# KiCad board ext_board.kicad_pcb (continued)
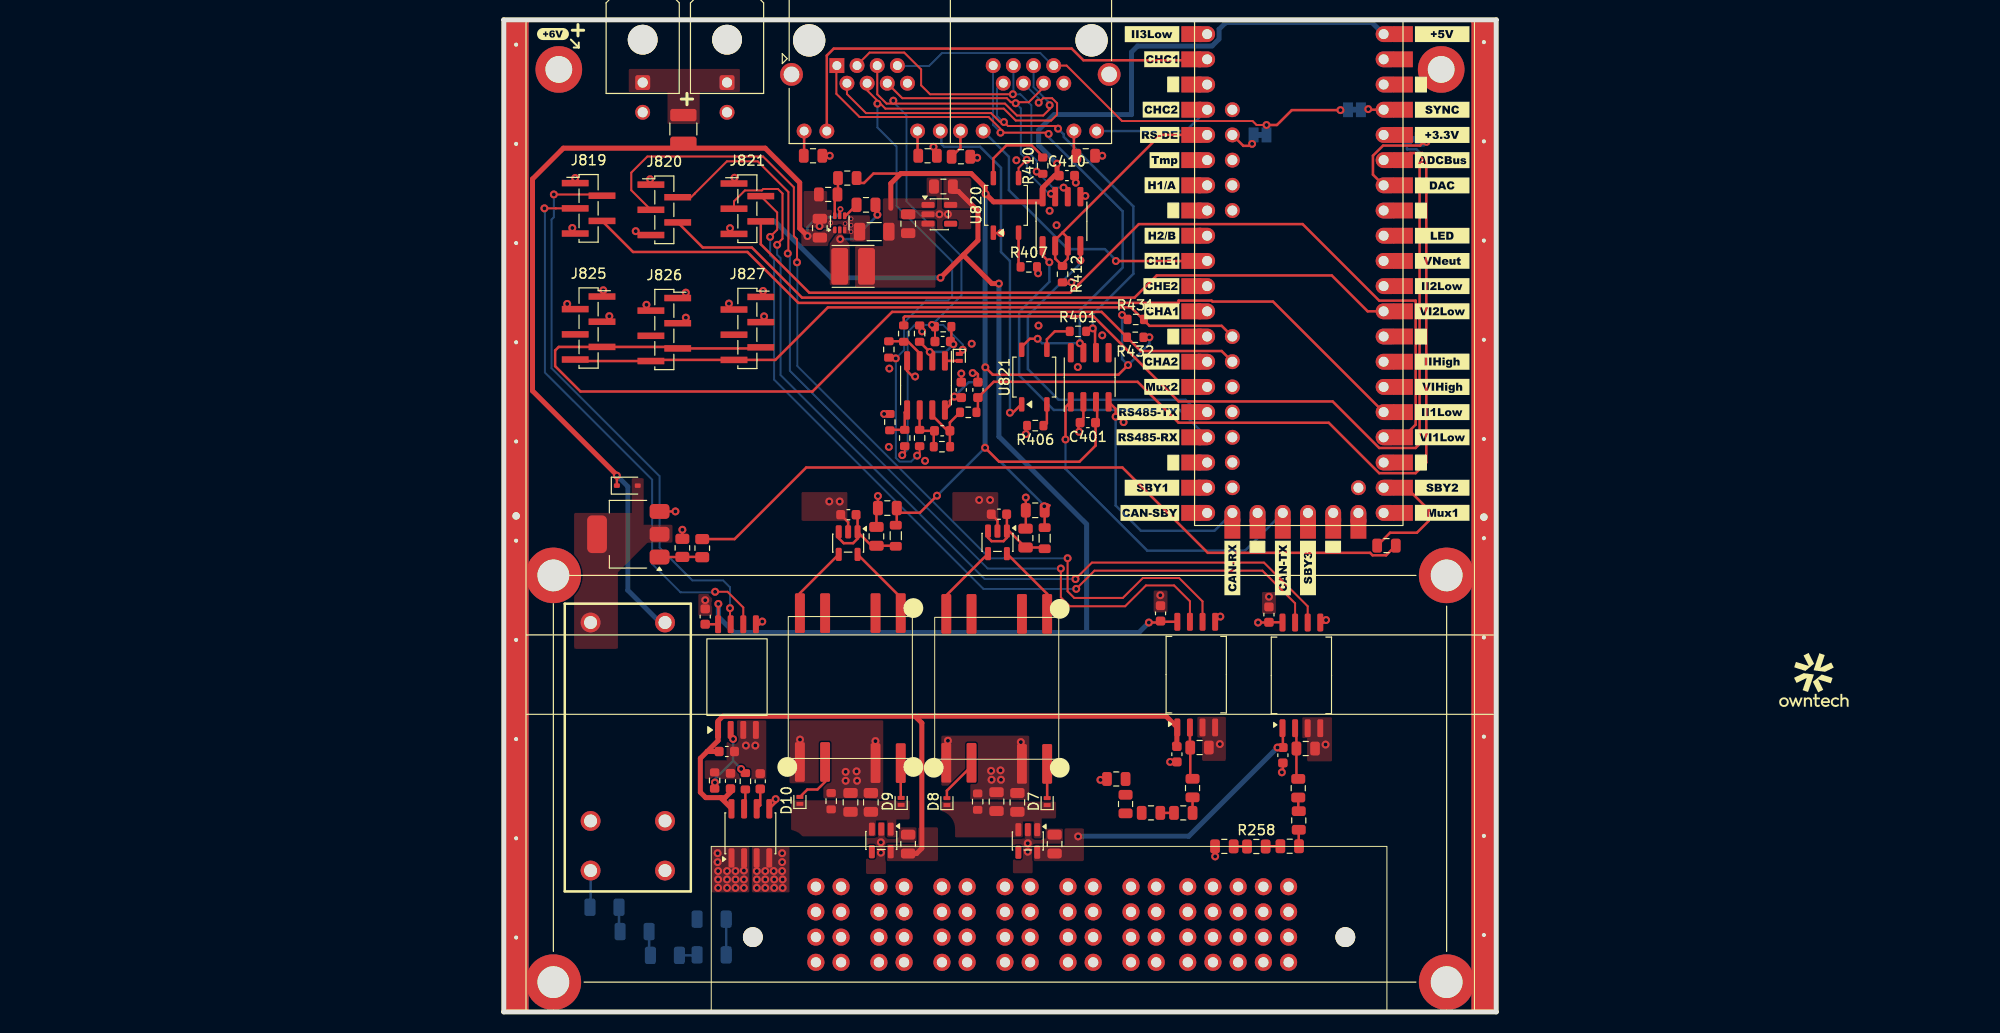
[diagram p0: board, top side]
## Footprints (pads in the part's own frame, mm; a bottom-side part is the same pattern mirrored in y, then rotated)
C_0603_1608Metric
  rrect 0.9x0.95 smd: 1(-0.775,0) 2(0.775,0)
C_0805_2012Metric
  rrect 1x1.45 smd: 1(-0.95,0) 2(0.95,0)
C_1206_3216Metric
  rrect 1.15x1.8 smd: 1(-1.475,0) 2(1.475,0)
CMT88F0U
  rrect 4x1 smd: 1(-7.5,5.08) 2(-7.5,2.54) 3(-7.5,-2.54) 4(-7.5,-5.08) 5(7.507,-5.08) 6(7.507,-2.54) 7(7.62,2.54) 8(7.62,5.08)
D_SOD-323
  rrect 0.6x0.45 smd: 1(-1.05,0) 2(1.05,0)
D_SOD-882
  rrect 0.3x0.6 smd: (-0.35,0) (0.35,0)
  rrect 0.4x0.7 smd: 1(-0.35,0) 2(0.35,0)
Fuse_1210_3225Metric
  rrect 1.25x2.65 smd: 1(-1.4,0) 2(1.4,0)
Guard_ring
  round 0.8 hole 0.4: 1(1.25,-2.5) 1(1.25,-12.5) 1(1.25,-22.5) 1(1.25,-32.5) 1(1.25,-42.5) 1(1.25,-52.5) 1(1.25,-62.5) 1(1.25,-72.5) 1(1.25,-82.5) 1(1.25,-92.5) 1(98.75,-2.25) 1(98.75,-12.25) 1(98.75,-22.25) 1(98.75,-32.25) 1(98.75,-42.25) 1(98.75,-52.25) 1(98.75,-62.25) 1(98.75,-72.25) 1(98.75,-82.25) 1(98.75,-92.25)
  rect 2.5x100 hole 0.762: 1(1.25,-50) 1(98.75,-50.125)
L_0805_2012Metric
  rrect 0.875x1.2 smd: 1(-1.062,0) 2(1.062,0)
L_Cenker_CKCS4020
  rrect 1.7x3.7 smd: 1(-1.35,0) 2(1.35,0)
Molex_Micro-Fit_3.0_43045-0200_2x01_P3.00mm_Horizontal
  round 3 hole 3 unplated: (0,4.32)
  rrect 1.5x1.5 hole 1.02: 1(0,0)
  round 1.5 hole 1.02: 2(0,-3)
MountingHole_2.7mm_M2.5_DIN965_Pad_TopBottom
  round 3.1 hole 2.7: 1(0,0)
  round 4.7 smd: 1(0,0)
  round 4.7 smd far side: 1(0,0)
MountingHole_3.2mm_M3_DIN965_Pad_TopBottom
  round 3.6 hole 3.2: 1(0,0)
  round 5.6 smd: 1(0,0)
  round 5.6 smd far side: 1(0,0)
OwnTech_SPINTHT_1
  rect 1.6x2 smd: 1(48.26,1.6) 2(45.72,1.6) 3(43.18,1.6) 4(40.64,1.6) 5(38.1,1.6) 6(35.56,1.6) 7(33.02,1.6) 8(30.48,1.6) 9(27.94,1.6) 10(25.4,1.6) 11(22.86,1.6) 12(20.32,1.6) 13(17.78,1.6) 14(15.24,1.6) 15(12.7,1.6) 16(10.16,1.6) 17(7.62,1.6) 18(5.08,1.6) 19(2.54,1.61) 20(0,1.61) 21(0,-19.73) 22(2.54,-19.73) 23(5.08,-19.73) 24(7.62,-19.73) 25(10.16,-19.73) 26(12.7,-19.73) 27(15.24,-19.73) 28(17.78,-19.73) 29(20.32,-19.73) 30(22.86,-19.73) 31(25.4,-19.73) 32(27.94,-19.73) 33(30.48,-19.73) 34(33.02,-19.73) 35(35.56,-19.73) 36(38.1,-19.73) 37(40.64,-19.73) 38(43.18,-19.73) 39(45.72,-19.73) 40(48.26,-19.73)
  oval 1.6x2.4 hole 1: 1(48.26,0) 2(45.72,0) 3(43.18,0) 4(40.64,0) 5(38.1,0) 6(35.56,0) 7(33.02,0) 8(30.48,0) 9(27.94,0) 10(25.4,0) 11(22.86,0) 12(20.32,0) 13(17.78,0) 14(15.24,0) 15(12.7,0) 16(10.16,0) 17(7.62,0) 18(5.08,0) 19(2.54,0) 20(0,0) 21(0,-17.78) 22(2.54,-17.78) 23(5.08,-17.78) 24(7.62,-17.78) 25(10.16,-17.78) 26(12.7,-17.78) 27(15.24,-17.78) 28(17.78,-17.78) 29(20.32,-17.78) 30(22.86,-17.78) 31(25.4,-17.78) 32(27.94,-17.78) 33(30.48,-17.78) 34(33.02,-17.78) 35(35.56,-17.78) 36(38.1,-17.78) 37(40.64,-17.78) 38(43.18,-17.78) 39(45.72,-17.78) 40(48.26,-17.78)
  round 1.5 hole 1: 41(40.64,-2.54) 42(38.1,-2.54) 43(35.56,-2.54) 44(33.02,-2.54) 45(30.48,-2.54) 46(17.78,-2.54) 47(15.24,-2.54) 48(12.7,-2.54) 49(10.16,-2.54) 50(7.62,-2.54) 51(5.08,-2.54) 52(2.54,-2.54) 59(2.54,-15.24)
  rect 2x1.6 smd: 53(-1.6,-2.54) 54(-1.6,-5.08) 55(-1.6,-7.62) 56(-1.6,-10.16) 57(-1.6,-12.7) 58(-1.6,-15.24)
  oval 2.4x1.6 hole 1: 53(0,-2.54) 54(0,-5.08) 55(0,-7.62) 56(0,-10.16) 57(0,-12.7) 58(0,-15.24)
PinSocket_1x05_P1.27mm_Vertical_SMD_Pin1Left
  rect 2.7x0.65 smd: 1(-1.35,2.54) 2(1.35,1.27) 3(-1.35,0) 4(1.35,-1.27) 5(-1.35,-2.54)
PinSocket_1x06_P1.27mm_Vertical_SMD_Pin1Right
  rect 2.7x0.65 smd: 6(-1.35,-3.175) 7(1.35,-1.905) 8(-1.35,-0.635) 9(1.35,0.635) 10(-1.35,1.905) 11(1.35,3.175)
PwrBlade51722-106020
  round 2 hole 2.5 unplated: (-6.35,2.54) (53.34,2.54)
  round 1.727 hole 1.02: 1(0,7.62) 1(0,5.08) 1(0,2.54) 1(0,0) 1(2.54,7.62) 1(2.54,5.08) 1(2.54,2.54) 1(2.54,0) 2(6.35,7.62) 2(6.35,5.08) 2(6.35,2.54) 2(6.35,0) 2(8.89,7.62) 2(8.89,5.08) 2(8.89,2.54) 2(8.89,0) 3(12.7,7.62) 3(12.7,5.08) 3(12.7,2.54) 3(12.7,0) 3(15.24,7.62) 3(15.24,5.08) 3(15.24,2.54) 3(15.24,0) 4(19.05,7.62) 4(19.05,5.08) 4(19.05,2.54) 4(19.05,0) 4(21.59,7.62) 4(21.59,5.08) 4(21.59,2.54) 4(21.59,0) 5(25.4,7.62) 5(25.4,5.08) 5(25.4,2.54) 5(25.4,0) 5(27.94,7.62) 5(27.94,5.08) 5(27.94,2.54) 5(27.94,0) 6(31.75,7.62) 6(31.75,5.08) 6(31.75,2.54) 6(31.75,0) 6(34.29,7.62) 6(34.29,5.08) 6(34.29,2.54) 6(34.29,0) 10(37.465,0) 11(37.465,2.54) 12(37.465,5.08) 13(37.465,7.62) 14(40.005,0) 15(40.005,2.54) 16(40.005,5.08) 17(40.005,7.62) 18(42.545,0) 19(42.545,2.54) 20(42.545,5.08) 21(42.545,7.62) 22(45.085,0) 23(45.085,2.54) 24(45.085,5.08) 25(45.085,7.62) 26(47.625,0) 27(47.625,2.54) 28(47.625,5.08) 29(47.625,7.62)
R_0603_1608Metric
  rrect 0.8x0.95 smd: 1(-0.825,0) 2(0.825,0)
R_0805_2012Metric
  rrect 1.025x1.4 smd: 1(-0.912,0) 2(0.912,0)
R_0805_2012Metric#2
  rrect 0.975x1.4 smd: 1(-0.938,0) 2(0.938,0)
R_1206_3216Metric
  rrect 1.125x1.75 smd: 1(-1.462,0) 2(1.462,0)
RELAY-TH_HF140FF-024-2HSWT
  round 2 hole 1.3: 1(-12.501,-3.751) 3(7.5,-3.751) 4(12.501,-3.751) 5(12.501,3.751) 6(7.5,3.751) 8(-12.501,3.751)
RJ45_Amphenol_RJHSE538X-02
  round 3.25 hole 3.25 unplated: (-2.79,2.54) (25.66,2.54)
  rect 1.5x1.5 hole 0.89: 1(0,0)
  round 1.5 hole 0.89: 2(1.016,-1.78) 3(2.032,0) 4(3.048,-1.78) 5(4.064,0) 6(5.08,-1.78) 7(6.096,0) 8(7.112,-1.78) 9(-3.3,-6.6) 10(-1.01,-6.6) 11(8.13,-6.6) 12(10.42,-6.6) 13(15.75,0) 14(16.766,-1.78) 15(17.782,0) 16(18.798,-1.78) 17(19.814,0) 18(20.83,-1.78) 19(21.846,0) 20(22.862,-1.78) 21(12.45,-6.6) 22(14.74,-6.6) 23(23.88,-6.6) 24(26.17,-6.6)
  round 2.3 hole 1.57: SH(-4.57,-0.89) SH(27.43,-0.89)
SOIC-8_3.9x4.9mm_P1.27mm
  rrect 1.95x0.6 smd: 1(-2.475,1.905) 2(-2.475,0.635) 3(-2.475,-0.635) 4(-2.475,-1.905) 5(2.475,-1.905) 6(2.475,-0.635) 7(2.475,0.635) 8(2.475,1.905)
SOIC-8_7.5x5.85mm_P1.27mm
  rrect 1.8x0.6 smd: 1(-5.325,1.905) 2(-5.325,0.635) 3(-5.325,-0.635) 4(-5.325,-1.905) 5(5.325,-1.905) 6(5.325,-0.635) 7(5.325,0.635) 8(5.325,1.905)
SolderJumper-2_P1.3mm_Bridged_Pad1.0x1.5mm
  rect 1x1.5 smd: 1(-0.65,0) 2(0.65,0)
SOP-4_3.8x4.1mm_P2.54mm
  rrect 1.45x0.55 smd: 1(-2.75,1.27) 2(-2.75,-1.27) 3(2.75,-1.27) 4(2.75,1.27)
SOT-23-5
  rrect 1.325x0.6 smd: 1(-1.137,0.95) 2(-1.137,0) 3(-1.137,-0.95) 4(1.137,-0.95) 5(1.137,0.95)
SOT-223
  rrect 2x1.5 smd: 1(-3.15,2.3) 2(-3.15,0) 3(-3.15,-2.3)
  rrect 2x3.8 smd: 4(3.15,0)
SOT-563
  rrect 0.675x0.35 smd: 1(-0.713,0.5) 2(-0.713,0) 3(-0.713,-0.5) 4(0.713,-0.5) 5(0.713,0) 6(0.713,0.5)

## Nets
+3.3V_{DGND}: U401.36
+5V_{DCLEANGND}: C50.1 C206.1 C212.1 C234.1 J819.1 J820.1 J821.1 J825.11 J827.9 U205.8 U207.8 U211.8 U806.5
+5V_{DGND}: C2.1 C3.1 C49.1 C53.1 C401.1 C410.1 C413.1 L2.1 L3.1 L5.2 R56.1 R431.1 R432.1 U401.40 U402.3 U405.8 U406.8 U806.1 U806.3
+5V_{PDOWNGND}: C47.1 C211.1 C233.1 C492.2 U207.1 U211.1 U801.8 U805.5
+5V_{PUPGND}: C46.1 C205.1 U205.1 U804.5
+12V_{DGND}: C51.1 D6.1 F402.2 K801.8 U14.1 U14.5
DGND: C2.2 C3.2 C4.2 C5.2 C41.2 C42.2 C49.2 C50.2 C51.2 C53.2 C206.2 C212.2 C234.2 C401.2 C410.2 C413.2 C470.2 J405.2 J406.2 J813.8 J813.20 J819.5 J820.5 J821.5 J825.9 J825.10 J826.9 J826.10 J826.11 J827.10 J827.11 Q12.3 R37.2 R57.2 R402.1 R403.1 R404.1 R405.1 R406.2 R407.2 R412.2 R414.1 R428.1 U14.3 U205.5 U207.5 U211.5 U401.3 U401.8 U401.13 U401.18 U401.23 U401.28 U401.33 U401.38 U401.54 U401.57 U402.2 U405.5 U406.4 U802.2 U803.2 U806.2
/Current sensor/I+: K801.5 R277.1 U801.1 U801.2
/Current sensor/Iout_N: J819.3 U211.6
/Current sensor/Iout_P: J819.2 U211.7
/IAB_{MCU}: J819.4 U401.25
/Isolated amplifier DOWN/vout_N: J820.3 U207.6
/Isolated amplifier DOWN/vout_P: J820.2 U207.7
/Isolated amplifier UP/vout_N: J821.3 U205.6
/Isolated amplifier UP/vout_P: J821.2 U205.7
/MCU/A: J813.3 J813.15 R410.1 U405.6
/MCU/ADC2_IN5: C470.1 R470.1 U401.35
/MCU/B: J813.6 J813.18 U405.7 U820.3
/MCU/BOOT0: U401.58
/MCU/CAN_H: J813.1 J813.13 U402.7 U821.4
/MCU/CAN_L: J813.2 J813.14 R401.2 U402.6
/MCU/DAC2: JP417.1 U401.34
/MCU/FDCAN2_{RX}: U401.53 U402.4
/MCU/FDCAN2_{TX}: U401.55 U402.1
/MCU/HRTIM1_SCIN: J813.7 J813.19 JP406.2 JP410.2
/MCU/Module_{Status}: J813.24 U401.4
/MCU/NRST: U401.59
/MCU/PA10: U401.15
/MCU/PB1: JP406.1 U401.37
/MCU/PB2: JP410.1 U401.42
/MCU/PB4: U401.20
/MCU/PB7: U401.56
/MCU/PB15: U401.6
/MCU/PC12: U401.19
/MCU/PC13: R55.1 U401.22
/MCU/Power_EN: J813.22 U401.10
/MCU/SHARE+: C412.2 D403.1 J813.5 J813.17 R416.2 R419.2
/MCU/SHARE-: J813.4 J813.16 R417.2 R418.2
/MCU/TERM120: J813.12 U820.1 U821.1
/MCU/USART3_DE: R412.1 U401.5 U405.2 U405.3
/MCU/USART3_RX: U401.17 U405.1
/MCU/USART3_TX: U401.16 U405.4
/MCU/USB_{STATUS}: J813.10 U401.2
/Relay: R36.1 R55.2
/SCL_{MCU}: J825.6 J826.6 J827.6 R431.2 U401.46
/SDA_{MCU}: J825.7 J826.7 J827.7 R432.2 U401.47
/V_{DOWN}: U801.3 U801.4 U809.1
/V_{UP}: K801.6 R278.1 U809.3
/VDOWN_{MCU}: J820.4 U401.29
/VDOWN_{RAW}: R249.1 R252.2 U207.2
/VUP_{MCU}: J821.4 U401.24
/VUP_{RAW}: R254.1 R255.2 U205.2
Earth_Protective: H1.1 H2.1 H3.1 H4.1 H5.1 H6.1 J813.SH N101.1
PDOWNGND: C44.2 C47.2 C48.2 C211.2 C233.2 C492.1 C493.1 K801.3 R58.2 R249.2 R262.2 R281.2 TR802.5 TR802.7 U207.3 U207.4 U211.3 U211.4 U801.5 U805.2 U809.2
PUPGND: C43.2 C45.2 C46.2 C205.2 K801.4 R38.2 R254.2 R279.1 TR801.5 TR801.7 U205.3 U205.4 U804.2 U809.4
Net-(C411-Pad1): C411.1 R415.1 R470.2 U406.7
Net-(D6-A): D6.2 K801.1 Q12.2 Q12.4
Net-(D7-A): D7.2 TR801.8
Net-(D7-K): C43.1 C45.1 D7.1 D8.1 R38.1 U804.1 U804.3
Net-(D8-A): D8.2 TR801.6
Net-(D9-A): D9.2 TR802.8
Net-(D10-A): D10.2 TR802.6
Net-(D10-K): C44.1 C48.1 D9.1 D10.1 R58.1 U805.1 U805.3
Net-(D403-A): D403.2 U406.1
Net-(J405-Pin_1): F402.1 J405.1 J406.1
Net-(J813-Pad9): J813.9 R403.2
Net-(J813-Pad11): J813.11 R402.2
Net-(J813-Pad21): J813.21 R405.2
Net-(J813-Pad23): J813.23 R404.2
Net-(JP417-B): JP417.2 R413.1
Net-(Q12-G): Q12.1 R36.2 R37.1
Net-(R250-Pad1): R250.1 R269.2
Net-(R250-Pad2): R250.2 R251.1
Net-(R251-Pad2): R251.2 R252.1
Net-(R255-Pad1): R255.1 R256.2
Net-(R256-Pad1): R256.1 R257.2
Net-(R257-Pad1): R257.1 R258.2
Net-(R258-Pad1): R258.1 R278.2
Net-(R259-Pad1): R259.1 R279.2
Net-(R259-Pad2): R259.2 R260.1
Net-(R260-Pad2): R260.2 R261.1
Net-(R261-Pad2): R261.2 R262.1
Net-(R269-Pad1): R269.1 R277.2
Net-(R401-Pad1): R401.1 U821.3
Net-(R406-Pad1): R406.1 U821.2
Net-(R407-Pad1): R407.1 U820.2
Net-(R410-Pad2): R410.2 U820.4
Net-(TR801-AA): TR801.1 U802.5
Net-(TR801-AB): TR801.4 U802.4
Net-(TR802-AA): TR802.1 U803.5
Net-(TR802-AB): TR802.4 U803.4
Net-(U14-SW): C52.2 L5.1 U14.2
Net-(U14-VBST): C52.1 U14.4
Net-(U14-VFB): R56.2 R57.1 U14.6
Net-(U211-VIN): R280.2 R281.1 U211.2
Net-(U406A-+): R413.2 R417.1 U406.3
Net-(U406A--): C412.1 R414.2 R416.1 U406.2
Net-(U406B-+): R419.1 R428.2 U406.5
Net-(U406B--): C411.2 R415.2 R418.1 U406.6
Net-(U801-FILTER): C493.2 U801.6
Net-(U801-VIOUT): R280.1 U801.7
Net-(U802-SEL): C4.1 C41.1 L2.2 U802.1 U802.3
Net-(U803-SEL): C5.1 C42.1 L3.2 U803.1 U803.3

Pads without a net: J825 8; J826 8; J827 8; TR801 2 3; TR802 2 3; U401 1 7 9 11 12 14 21 26 27 30 31 32 39 41 43 44 45 48 49 50 51 52; U402 5 8; U804 4; U805 4; U806 4; U809 5 6 10 11 12 13 14 15 16 17 18 19 20 21 22 23 24 25 26 27 28 29

## Via types
v1: diameter 0.8, hole 0.4, Top to Bottom, 184 vias
v2: diameter 0.6, hole 0.3, Top to Bottom, 1 via
v3: diameter 0.45, hole 0.3, Top to Bottom, 5 vias

## Routing (per net, layer and track width the routed paths; a pad name or vN(x,y) marks a point on that pad's centre or on a via; arc(x,y) is an arc through that point)
+5V_{DCLEANGND}: length 143
  Top w0.25: C234.1 21.59,39.08 U211.8 21.62,39.11 v1(21.62,41.12) ; v1(65,39.25) 66.03,39.25 C212.1 66.25,39.33 U207.8 ; v1(76,39.25) 77.07,39.25 77.09,39.28 78.44,39.28 U205.8
  Top w0.5: 45.25,82.7 45.81,82.7 47.78,80.73 47.78,77.78 46.3,76.3 ; v1(49.89,73.41) 49.18,73.41 46.3,76.3 ; 46.3,76.3 v1(44.01,74)
  In1.Cu w0.25: v1(76,39.25) 76,39 ; 65,39.5 v1(65,39.25) 65,39 ; 23.25,84.15 v1(23.25,84.08) ; v1(21.62,41.12) 21.5,41
  In2.Cu w0.25: v1(76,39.25) 75.05,38.3 65.95,38.3 v1(65,39.25)
  In2.Cu w0.5: v1(23.25,84.08) 23.4,84.23 23.4,84.5
  Bottom w0.25: 21.62,40.89 v1(21.62,41.12)
  Bottom w0.5: v1(49.89,73.41) 49.89,58.01 58.73,49.17 58.73,38.25 ; 58.73,38.25 64,38.25 v1(65,39.25) ; 58.73,38.25 23.2,38.25 21.62,39.83 21.62,40.89 ; 26.45,79.7 27.31,79.7 33,74 v1(44.01,74)
  vias: v1(7.2,84.06) v1(10.03,72.74) v1(14.75,83.93) v1(26.23,70.11)
+5V_{DGND}: length 173.3
  Top w0.25: 59.62,58.91 59.62,57.08 58,55.45 49.91,55.45 v1(48.5,56.86) ; 40,84.5 37.25,84.5 36.3,83.56 35.55,83.56 ; 55.75,84.35 55.8,84.3 ; U406.8 44.95,61.17 44.95,61.58 v1(45.4,62.02) ; 39.6,50.8 C3.1 39.6,49.16 L3.1 ; 55,51.06 C2.1 L2.1 ; U402.3 59.79,61.38 59.79,59.4 ; 43.67,52.03 v1(43.65,52.03) 41.93,50.31 39.62,50.31 39.6,50.29 ; 48.45,65.05 v1(48.53,64.97) 49.27,64.23 61.93,64.23 v1(62.9,65.2) ; 54.27,81.66 54.29,81.68
  Top w0.5: v1(55.75,85.5) 55.75,84.51 C410.1 55.51,84.3 54.29,83.08 U405.8 ; 39,81 39,83.5 40,84.5 47.1,84.5 48.5,83.1 48.5,82.5 v1(48.55,82.45) 49.35,81.66 54.27,81.66
  In2.Cu w0.25: v1(65.05,68) 65,68 ; v1(62.3,70.25) 62.4,70.15
  Bottom w0.25: v1(45.4,62.02) 46.85,63.48 48.5,63.48 ; v1(65.05,68) 65.05,67.35 v1(62.9,65.2) 62.3,65.8 v1(62.3,70.25) ; v1(54.46,50.97) 54.46,51.05 50.04,55.47 49.9,55.47 v1(48.5,56.86) 43.67,52.03
  Bottom w0.5: v1(55.75,85.5) 53.9,87.35 53.9,88.9 55.45,90.45 63.25,90.45 63.25,96.75 63.86,97.36 71.37,97.36 72.07,98.06 72.07,99.06 72.65,99.64 72.65,99.65 72.72,99.72 87.49,99.72 U401.40 ; v1(48.5,56.86) 48.5,82.5
+5V_{PDOWNGND}: length 79
  Top w0.25: 67.82,28.63 U207.1
  Top w0.5: U801.8 22.95,20.5 21.85,21.6 ; 21.85,21.6 22.3,21.6 22.85,22.15 C492.2 ; 21.85,21.6 20.35,21.6 19.81,22.14 19.81,25.56 20.5,26.25 ; 41.45,29.8 22.07,29.8 21.59,29.32 U211.1 21.59,27.34 20.5,26.25 ; 41.45,29.8 41.85,29.8 41.86,29.81 66.73,29.81 67.82,28.72 C211.1 67.57,27 ; 41.45,29.8 42.12,29.12 42.12,16.5 41.6,15.97 C47.1 ; 20.5,26.25 C233.1
+5V_{PUPGND}: length 25.8
  Top w0.25: C205.1 78.5,28.56 U205.1
  Bottom w0.5: v1(77.96,26.65) 69.02,17.71 57.89,17.71 v1(57.87,17.69)
+12V_{DGND}: length 93.9
  Top w0.25: 16.25,39.25 K801.8 ; U14.5 33.85,80.84 v2(33.92,80.92) ; 31.55,77.75 C51.1 ; v1(11.4,54.06) D6.1 ; 18,87.5 F402.2
  Top w0.5: v1(11.4,54.06) 11.4,54.11 2.9,62.6 2.9,83.95 6.01,87.06 26.34,87.06 29.82,83.59 29.82,78.99 v1(30.6,78.2)
  In2.Cu w0.25: v2(33.92,80.92) 33.92,80.58
  Bottom w0.25: v2(33.92,80.92) 33.92,80.58 33.45,80.1 31.6,80.1 30.6,79.11 v1(30.6,78.2)
  Bottom w0.5: 16.25,38.75 12.5,42.51 12.5,52.95 v1(11.4,54.06)
DGND: length 29.1
  Top w0.25: v1(58.6,82.25) 58.53,82.17 U405.5 ; U802.2 49.75,49.54 C41.2 ; v1(47.7,86.1) 47.65,86.05 ; R403.1 v1(32.85,86.3) 32.95,86.3 ; v1(47.25,64.4) 47.65,64.4 47.78,64.28 C470.2 ; v1(57.64,83.59) 57.67,83.62 ; v1(57.2,73.55) 57.05,73.55 56.92,73.42 56.3,73.42 ; v1(37.7,52) C3.2 37.55,50.64 C5.2 ; U803.2 34.7,49.37 C42.2 ; 72.25,39.85 v1(72.2,39.85) U207.5 ; v1(26.05,39.35) 25.78,39.08 U211.5 ; R428.1 v1(38.33,60.27) ; v1(42.15,68.6) 42.15,68.95 R414.1 ; v1(43.3,87.2) 43.64,86.86 R402.1 ; C4.2 52.6,48.74 C2.2 v1(52.6,51.85) ; R404.1 v1(60.3,86.3) ; 58.1,58.35 v1(57.97,58.48) 57.91,58.54 57.91,59.4 58.4,59.89 U402.2 ; C413.2 v1(46.1,64.35) ; v1(41.45,64.05) 41.2,64.05 40.64,64.61 U406.4 ; 17.95,48.7 18,48.65 v1(18,48.6) R37.2 ; v1(82.85,39.5) 82.6,39.25 U205.5 ; 53.84,75.1 v1(53.84,74.45) ; Q12.3 v1(17.3,50.45)
  vias: v1(6.4,71.37) v1(6.91,79.02) v1(10.64,70.13) v1(13.3,78.7) v1(14.38,71.28) v1(18.35,72.5) v1(18.35,69.98) v1(20.3,41.5) v1(22.69,71.4) v1(22.8,79) v1(26.13,72.67) v1(31.82,79.21) v1(32.8,51.45) v1(33.85,51.45) v1(38.85,64.85) v1(38.8,56.95) v1(42.45,55.55) v1(43.9,80.4) v1(44.75,80.4) v1(47.15,67.35) v1(47.9,51.6) v1(49,51.6) v1(51.65,85.85) v1(52.61,58.25) v1(53.88,69.18) v1(55,80.75) v1(55.7,79.3) v1(57.84,65) v1(60.3,68.2) v1(62.45,59.45) v1(66.15,42) v1(77.1,41.85) v3(32.95,79.54) v3(34.4,79.46) v3(35,79.95) v3(35,79.3) v3(35,78.65)
/Current sensor/I+: length 66.3
  In2.Cu w0.5: v1(60.12,23.39) 59.71,23.39 53.65,29.45 15.73,29.45 12.95,26.67 12.95,14.75 13.45,14.25 K801.5
  vias: v1(21.55,16) v1(21.55,15.1) v1(21.6,14.2) v1(21.6,13.35) v1(21.6,12.5) v1(22.5,14.2) v1(22.5,13.35) v1(22.5,12.5) v1(23.35,14.2) v1(23.35,13.35) v1(23.35,12.5) v1(24.2,14.25) v1(24.2,13.35) v1(24.2,12.5)
/Current sensor/Iout_N: length 56.2
  Top w0.2: v1(4.1,81) J819.3 ; U211.6 24.14,40.77 22.55,42.35 v1(21.3,42.35)
  Bottom w0.2: v1(4.1,81) 4.1,80.65 4.15,80.6 4.15,64.45 14.95,53.65 14.95,45.15 17.8,42.3 21.25,42.3 v1(21.3,42.35)
/Current sensor/Iout_P: length 57.9
  Top w0.2: v1(22.8,40.7) 22.8,39.14 U211.7 ; v1(5.05,82.4) 9.77,82.4 J819.2
  Bottom w0.2: v1(5.05,82.4) 5.05,80.1 4.81,79.86 4.81,64.89 15.7,54 15.7,46.8 19,43.5 22.1,43.5 22.8,42.8 v1(22.8,40.7) 22.58,40.47
/IAB_{MCU}: length 87.1
  Top w0.25: J819.4 13.03,76.6 24.55,76.6 29.68,71.47 68,71.47 68,71.69 71.32,71.69 71.41,71.6 77.51,71.6 U401.25
/Isolated amplifier DOWN/vout_N: length 97.6
  Top w0.2: v1(56.81,45.73) 56.81,42.4 57.48,41.73 62.38,41.73 64.39,43.74 68.04,43.74 70.41,41.38 U207.6 70.5,39.42 ; 14.83,80.85 12.85,82.83 12.85,84.6 14.47,86.22 26.13,86.22 29.23,83.12 29.23,78.21 29.55,77.89 v1(29.55,75.56) 29.55,75.5
  Bottom w0.2: v1(56.81,45.73) 48.95,45.73 29.58,65.1 29.58,75.53 v1(29.55,75.56)
/Isolated amplifier DOWN/vout_P: length 87.6
  Top w0.2: 17.53,82.12 18.88,82.12 19.25,82.49 19.25,82.5 22.49,85.74 25.59,85.74 28.68,82.65 28.68,76.51 v1(28.62,76.45) 28.62,76.43 ; 69.1,39.36 69.14,39.33 69.14,41.39 67.54,42.99 64.71,42.99 62.61,40.89 57.03,40.89 56.13,41.79 v1(56.13,44.69)
  Bottom w0.2: v1(28.62,76.45) 28.83,76.24 28.83,64.62 48.76,44.69 v1(56.13,44.69)
/Isolated amplifier UP/vout_N: length 90.8
  Top w0.2: 80.95,39.3 U205.6 81,40.89 76.6,45.29 59.26,45.29 v1(57.6,43.63) ; J821.3 23.2,81.7 24.3,82.81 26,82.81 26.15,82.95 27.63,82.95 28.09,82.49 28.09,77.94 27.55,77.4 v1(27.55,77.32)
  Bottom w0.2: v1(27.55,77.32) 27.55,76.32 27.89,75.98 27.89,64.2 48.46,43.63 v1(57.6,43.63)
/Isolated amplifier UP/vout_P: length 84.9
  Top w0.2: v1(57.68,42.64) 59.52,44.48 76.44,44.48 79.73,41.19 U205.7 ; v1(26.84,78.12) 26.84,78.14 27.55,78.85 27.55,80.58 J821.2
  Bottom w0.2: v1(26.84,78.12) 26.84,76.25 27.24,75.85 27.24,63.73 48.33,42.64 v1(57.68,42.64)
/MCU/A: length 34.5
  Top w0.2: 35.55,95.39 36.86,96.7 40.35,96.7 42.05,95 42.05,93.4 42.95,92.5 v1(51.3,92.5)
  Bottom w0.2: v1(56.41,83.09) 56.39,83.1 55.3,83.1 v1(53.7,84.7) 53.7,85.82 53.15,86.37 53.15,91.4 52.05,92.5 v1(51.3,92.5) 51.35,92.55 J813.15
/MCU/ADC2_IN5: length 85.2
  Top w0.25: R470.1 47.78,60.59 47.78,61.92 49.36,63.51 63.87,63.51 68,59.38 83.12,59.38 88.2,54.31 91.88,54.31 92.95,55.38 92.95,86.18 92.55,86.58 91.31,86.58 U401.35
/MCU/B: length 30.2
  Top w0.2: 54.39,93.19 52.9,91.7 51.69,91.7 v1(51.58,91.59) 51.48,91.7 51.09,91.7 50.69,92.1 40.16,92.1 J813.6 ; v1(52.7,85.9) 51.87,85.07 U820.3
  Bottom w0.2: v1(51.58,91.59) 52.1,91.08 52.1,86.5 v1(52.7,85.9) 52.7,84.72 54.95,82.47 v1(55.14,82.47)
/MCU/CAN_H: length 65.3
  Top w0.2: 50.05,89.01 48.85,90.21 35.85,90.21 33.52,92.54 33.52,95.4 ; 54.77,88.63 v1(50.05,88.63)
  Top w0.25: U821.4 52.18,67.03 53,67.85 v1(53.79,67.85)
  Bottom w0.2: 49.3,95.39 49.3,89.41 50.08,88.62
  Bottom w0.25: v1(53.79,67.85) 54.24,67.4 v1(58.05,67.4) 58.05,70.72 62.35,75.02 62.35,80.71 54.9,88.16 v1(54.9,88.5)
/MCU/CAN_L: length 55
  Top w0.2: 50,89.7 49.1,90.6 36.5,90.6 34.58,92.52 J813.2 ; 55.58,89.3 50.8,89.3 v1(50.4,89.7)
  Top w0.25: v1(59.35,68.9) 59.58,68.67 59.58,66.55 U402.6
  Bottom w0.2: 50.23,93.61 49.7,93.08 49.7,90.3 50.3,89.7
  Bottom w0.25: v1(59.35,68.9) 59.35,70.32 63.44,74.41 63.44,81.19 56.42,88.2 56.42,88.46 v1(55.85,89.03)
/MCU/DAC2: length 9.1
  Top w0.25: 92.7,87.7 92.32,87.33 88.59,87.33 87.57,86.31 87.57,84.4 U401.34
  vias: v1(92.96,87.7)
/MCU/FDCAN2_{RX}: length 24.3
  Top w0.25: v1(61.65,60) 61.65,60.79 U402.4
  Bottom w0.25: v1(61.65,60) 61.65,51.05 64.2,48.5 71.61,48.5 U401.53
/MCU/FDCAN2_{TX}: length 33.9
  Top w0.25: v1(56.6,57.7) 56.6,60.97 U402.1
  Bottom w0.25: U401.55 74.69,46.5 64.83,46.5 56.6,54.73 v1(56.6,57.7)
/MCU/HRTIM1_SCIN: length 48.8
  Top w0.2: v1(76.85,89.4) 75.85,89.4 75.45,89.8 62.3,89.8 56.71,95.39 J813.19
  Top w0.25: v1(76.85,89.4) 77.9,89.4 79.4,90.9 v1(84.3,90.9)
  Bottom w0.2: 55.37,95.34 54.06,96.66 44.16,96.66 42.84,95.34 39.62,95.34
/MCU/Module_{Status}: length 12
  Bottom w0.25: U401.4 68.72,88.79 J813.24
/MCU/PB1: length 1.6
  Top w0.25: v1(87.1,91) 87.2,91 87.26,90.94 U401.37
/MCU/PB2: length 2.5
  Top w0.25: v1(75.4,87.5) 75.2,87.3 74.51,87.3 U401.42
/MCU/PC13: length 10.9
  Top w0.25: U401.22 90.96,52.84 93.2,50.6 93.2,49.5 92,48.3 89.3,48.3 R55.1
/MCU/Power_EN: length 30
  Top w0.25: U401.10 70.86,75.69 v1(61.67,75.69)
  Bottom w0.25: J813.22 50.9,86.19 50.9,82.82 56.83,76.89 60.56,76.89 61.67,75.78 v1(61.67,75.69)
/MCU/SHARE+: length 75.7
  Top w0.2: 37.63,95.45 37.63,92.49 38.57,91.56 50.51,91.56 51.71,90.36 54.36,90.36 55,91 v1(55,91.4) ; 37.56,95.49 37.63,95.42 J813.5 37.6,95.36 ; v1(40.15,56.12) 40.4,56.38 40.4,57.03 ; R416.2 C412.2
  Bottom w0.2: 53.38,95.39 53.38,93.23 54.8,91.8 54.8,91.6 v1(55,91.4) ; v1(43.15,69.25) 46.12,72.22 46.12,76.16 40.58,81.7 40.58,90.37 39.25,91.7 v1(39.25,91.85) ; v1(43.15,69.25) 41.42,69.25 40.7,68.53 40.7,56.67 v1(40.15,56.12) ; v1(43.15,69.25) 44.27,69.25 46.25,67.27 v1(46.25,66.75)
/MCU/SHARE-: length 73.4
  Top w0.2: v1(41.65,56.08) 41.9,56.33 41.9,57.03 ; 36.66,93.56 36.66,92.84 38.45,91.05 50.38,91.05 51.58,89.85 55.15,89.85 55.75,90.45 55.75,91.6 55.25,92.1 54.35,92.1 v1(53.9,91.65)
  Bottom w0.2: v1(41.65,56.08) 41.05,55.47 39.88,55.47 39.5,55.86 v1(39.5,65.88) 40.35,66.72 40.35,69.49 42.56,71.7 44.76,71.7 45.18,72.12 45.18,75.64 39.58,81.24 39.58,87.22 37.65,89.15 v1(37.65,91.55) ; v1(53.9,91.65) 53.9,92.07 J813.16
/MCU/TERM120: length 35.7
  Top w0.25: v1(51,60.4) 51.3,60.4 52.14,61.24 U821.1 ; U820.1 49.38,78.5 v1(50.1,78.5)
  Bottom w0.25: v1(51,60.4) 51,75.7 50.1,76.6 v1(50.1,78.5) 50.1,85.1 48,87.2 44.37,87.2 44.1,87.47 44.1,88.67 J813.12
/MCU/USART3_DE: length 24.6
  Top w0.25: 56.3,78.55 55.56,77.81 U405.2 55.56,75.94 56.2,75.3 56.83,75.93 U405.3 56.83,78.02 56.3,78.55 ; 56.3,78.55 66.15,88.4 U401.5
/MCU/USART3_RX: length 36.1
  Top w0.25: U405.1 54.29,76.25 v1(54.97,75.57)
  Bottom w0.25: U401.17 68.11,60.67 55.42,60.67 51.92,64.17 51.92,70.55 54.97,73.59 v1(54.97,75.57)
/MCU/USART3_TX: length 35.8
  Top w0.25: 58.1,75.92 U405.4 v1(58.1,75.75)
  Bottom w0.25: v1(58.1,75.75) 58.1,75.45 52.81,70.16 52.81,64.8 55.91,61.7 68.69,61.7 69.44,60.95 70.38,60.95 U401.16
/MCU/USB_{STATUS}: length 46.7
  Top w0.25: 32.56,88.79 32.55,88.8 32.55,96.41 33.25,97.1 57.22,97.1 58.4,95.93 70.78,95.93 U401.2
/Relay: length 76.9
  Top w0.25: R36.1 23.26,47.66 30.47,54.88 62.33,54.88 70.94,46.28 87.28,46.28 87.53,46.03 88.9,46.03 R55.2
/SCL_{MCU}: length 69.7
  Top w0.25: J825.6 7.35,65.61 J826.6 14.94,65.72 J827.6 27.36,65.72 32.66,71.02 63.2,71.02 65.06,69.16 72.33,69.16 U401.46
/SDA_{MCU}: length 97.6
  Top w0.25: U401.47 72.33,66.62 64.19,66.62 60.24,70.56 39.13,70.56 31.1,62.53 31.09,62.54 7.73,62.54 5.18,65.09 5.18,66.67 5.54,67.03 J825.7 ; J826.7 25.79,66.88 J827.7 25.9,67 ; J826.7 17.38,67.03 J825.7 ; J826.7 17.64,66.99 ; 10.05,66.88 J825.7
/V_{DOWN}:
  vias: v1(25.5,14.2) v1(25.5,13.35) v1(25.5,12.5) v1(26.35,14.2) v1(26.35,13.35) v1(26.35,12.5) v1(27.2,14.2) v1(27.25,13.35) v1(27.25,12.5) v1(28.05,16) v1(28.05,15.1) v1(28.05,14.2) v1(28.1,13.35) v1(28.1,12.5)
/V_{UP}: length 31.1
  In2.Cu w0.25: v1(71.67,15.67) 71.7,15.7
  In2.Cu w0.5: v1(71.67,15.67) 70.95,14.95 56.2,14.95 56,15.15 56,16.49 53.59,18.9 51.75,18.9 46.69,13.84 U809.3
/VDOWN_{MCU}: length 76.7
  Top w0.25: U401.29 87.04,70.62 83.42,74.23 65.78,74.23 63.55,72 30.05,72 25,77.05 20.06,77.05 17.53,79.58
/VDOWN_{RAW}: length 5.3
  Top w0.25: R252.2 69.17,23.73 R249.1 69.14,26.69 69.14,28.67
/VUP_{MCU}: length 90.7
  Top w0.25: U401.24 91.88,59.2 91.88,71.69 88.2,71.69 80.49,79.41 63.99,79.41 57.88,73.3 57.88,73.27 57.48,72.88 57.45,72.88 57.07,72.49 30.79,72.49 25.9,77.38 J821.4
/VUP_{RAW}: length 5.6
  Top w0.25: U205.2 79.86,28.47 R254.1 ; R254.1 79.86,23.67 R255.2 ; R254.1 80.1,26.31
PDOWNGND: length 1.2
  Top w0.25: U801.5 27.4,21.12 v1(27.4,21.45)
  vias: v1(24.4,26.85) v1(25.35,26.85) v1(29.85,27.45) v1(34.45,24.2) v1(34.45,23.3) v1(35.55,24.25) v1(35.6,23.3) v1(37.45,27.3) v1(38,17.1) v1(38,16.05) v1(67.14,25.2) v1(72.15,27)
PUPGND: length 4.7
  Top w0.25: C205.2 78.5,24.25 v1(78.4,24.15)
  Bottom w0.25: R279.1 8.75,10.61 K801.4
  vias: v1(44.75,27.34) v1(49.1,24.3) v1(49.15,23.4) v1(50.05,24.35) v1(50.1,23.4) v1(52.1,27.2) v1(52.8,17) v1(52.8,16.15) v1(82.8,26.95)
Net-(C411-Pad1): length 6.9
  Top w0.25: R415.1 44.95,57 C411.1 ; U406.7 43.18,60.12 44.72,58.58 C411.1 ; C411.1 44.95,59.41 R470.2
Net-(D7-A): length 3.5
  Top w0.25: TR801.8 D7.2
Net-(D8-A): length 4.6
  Top w0.25: TR801.6 47.13,24.78 44.65,22.3 D8.2
Net-(D9-A): length 3.5
  Top w0.25: D9.2 40,21.61 TR802.8
Net-(D10-A): length 5.2
  Top w0.25: D10.2 30.59,22.42 31.61,22.42 32.38,23.19 TR802.6
Net-(D403-A): length 1.5
  Top w0.25: U406.1 D403.2
Net-(J813-Pad9): length 2.5
  Top w0.25: J813.9 30.27,86.34 R403.2
Net-(J813-Pad11): length 2.5
  Top w0.25: R402.2 41.69,86.37 J813.11
Net-(J813-Pad21): length 3
  Top w0.25: R405.2 46.02,87.09 J813.21
Net-(J813-Pad23): length 2.6
  Top w0.25: J813.23 57.44,86.56 R404.2
Net-(JP417-B): length 90.3
  Top w0.25: v1(92.28,85.9) 92.28,57.25 91.88,56.84 88.2,56.84 83.51,61.53 68,61.53 59.42,70.11 40.41,70.11 40.3,70 R413.1
  Bottom w0.25: JP417.2 91,86.97 91.03,86.95 91.95,86.95 92.28,86.62 v1(92.28,85.9)
Net-(Q12-G): length 4.3
  Top w0.25: R36.2 19.98,45.86 R37.1 17.99,45.85 Q12.1
Net-(R250-Pad1): length 0.3
  Top w0.25: 62.82,20.06 62.63,20.25
Net-(R250-Pad2): length 1.4
  Top w0.25: R251.1 R250.2
Net-(R251-Pad2): length 1.6
  Top w0.25: R252.1 R251.2
Net-(R255-Pad1): length 1.4
  Top w0.25: R255.1 80.05,20.29 R256.2
Net-(R256-Pad1): length 1.7
  Top w0.25: R256.1 80.1,16.72 R257.2
Net-(R257-Pad1): length 1.5
  Top w0.25: R258.2 76.79,16.7 R257.1
Net-(R258-Pad1): length 1.4
  Top w0.25: 74.91,16.69 R278.2
Net-(R259-Pad1): length 2.5
  Bottom w0.25: R259.1 11.61,8.21 R279.2
Net-(R259-Pad2): length 2.5
  Bottom w0.25: R259.2 14.65,5.83 R260.1
Net-(R260-Pad2): length 1.8
  Bottom w0.25: R260.2 19.44,5.7 R261.1
Net-(R261-Pad2): length 3.6
  Bottom w0.25: R262.1 R261.2
Net-(R401-Pad1): length 3.6
  Top w0.25: 56.92,68.6 55.52,68.6 54.72,67.8 U821.3
Net-(R406-Pad1): length 2.2
  Top w0.25: 54.49,59.1 54.72,59.33 U821.2
Net-(R407-Pad1): length 3.5
  Top w0.25: U820.2 51.87,75.19 51.96,75.1
Net-(R410-Pad2): length 8
  Top w0.25: 54.3,86.24 53.19,87.35 50.65,87.35 49.33,86.03 U820.4
Net-(TR801-AA): length 7.8
  Top w0.25: TR801.1 54.75,42.14 U802.5
Net-(TR801-AB): length 7.8
  Top w0.25: U802.4 44.59,41.99 TR801.4
Net-(TR802-AA): length 7.7
  Top w0.25: TR802.1 40,41.77 U803.5
Net-(TR802-AB): length 7.5
  Top w0.25: U803.4 29.84,42.21 TR802.4
Net-(U14-SW): length 5.9
  Top w0.25: v1(37.65,80.35) 37.65,81.15 C52.2
  Bottom w0.25: v1(37.65,80.35) 37.65,80.3 35.25,77.9 v1(33.9,77.9)
Net-(U14-VBST): length 1.7
  Top w0.25: C52.1 34.45,80.25 U14.4
Net-(U14-VFB): length 3.9
  Top w0.25: R56.2 33.67,82.45 R57.1 33.35,82.12 U14.6
Net-(U211-VIN): length 6.3
  Bottom w0.25: 23.11,25.3 v1(23.92,24.49) ; 23.11,25.3 v1(23.11,27.51) ; 23.11,25.3 21.28,23.47 v1(21.28,23.12)
Net-(U406A-+): length 4.4
  Top w0.25: R417.1 40.25,67.6 R413.2 40.75,67.55 41.91,66.39 U406.3
Net-(U406A--): length 6.7
  Top w0.25: R416.1 45.1,67.67 C412.1 ; R414.2 v1(42.92,66.53) 43.18,66.27 U406.2
  Bottom w0.25: v1(45.3,67.3) 44.53,66.53 v1(42.92,66.53)
Net-(U406B-+): length 4
  Top w0.25: 40.22,58.83 40.5,58.55 ; R428.2 38.95,58.67 R419.1 40.4,60.44 U406.5
Net-(U406B--): length 5.2
  Top w0.25: R415.2 43.33,58.5 C411.2 42,58.58 R418.1 41.9,60.66 U406.6
Net-(U801-FILTER): length 2.1
  Top w0.25: U801.6 25.85,20.83 C493.2
Net-(U801-VIOUT): length 2
  Top w0.25: U801.7 24.35,20.61 R280.1
Net-(U802-SEL): length 9.8
  Top w0.25: U802.1 50.69,50.14 C41.1 ; U802.1 50.69,47.8 50.35,47.45 49.15,47.45 48.8,47.81 U802.3 ; U802.1 50.92,48.47 C4.1 54.38,46.81 L2.2
Net-(U803-SEL): length 9.9
  Top w0.25: U803.3 33.75,47.75 34.25,47.25 35.2,47.25 35.65,47.7 U803.1 ; U803.1 37.06,46.99 C5.1 39.45,46.99 L3.2 ; U803.1 35.65,49.97 C42.1
unconnected-(J827-~{INT}-Pad8): length 0
  Top w0.25: 23.19,68.25 J827.8

## Copper pours and planes (outline as drawn; the poured copper is in the pictures)
+5V_{DCLEANGND} on Top: 44.3,81 47.1,81 47.1,84.4 44.3,84.4
+5V_{DCLEANGND} on Bottom: 4.83,84.85 4.83,63.51 27.15,63.51 27.15,84.85
+5V_{DGND} on Top: 43.5,79.8 39.7,79.8 39.7,81 43.5,81 43.5,82 38.2,82 38.2,77.2 35.4,77.2 35.4,73 43.5,73
+5V_{PDOWNGND} on Top: 41.75,18.6 41.75,16.9 38.6,16.9 38.6,15.2 43.75,15.2 43.75,18.6
+5V_{PUPGND} on Top: 56.5,18.5 56.5,16.8 53.4,16.8 53.4,15.2 58.45,15.2 58.45,18.5
+12V_{DGND} on Top: 33.61,79.25 33.06,79.05 30,79.05 29.98,77.2 32.7,77.2 33.61,78.52
DGND on Top: 39.8,79.9 43.6,79.9 43.6,78.9 47.1,78.9 47.1,80.9 44.2,80.9 44.2,84.1 42.6,84.1 42.6,82.2 43.6,82.2 43.6,80.9 39.8,80.9
DGND on Top: 34.62,49.5 30,49.5 30,52.4 34.62,52.4
DGND on Top: 19.6,42.13 19.6,39.93 21,39.93 21,42.13
DGND on Top: 65.47,42.47 65.47,40.27 66.88,40.27 66.88,42.47
DGND on Top: 49.83,49.5 45.2,49.5 45.2,52.4 49.83,52.4
DGND on Top: 76.39,42.33 76.39,40.12 77.8,40.12 77.8,42.33
